# KiCad board artemis.kicad_pcb
title: artemis (アルテミス); date: 2022-01-25; rev: 0.3; company: <3
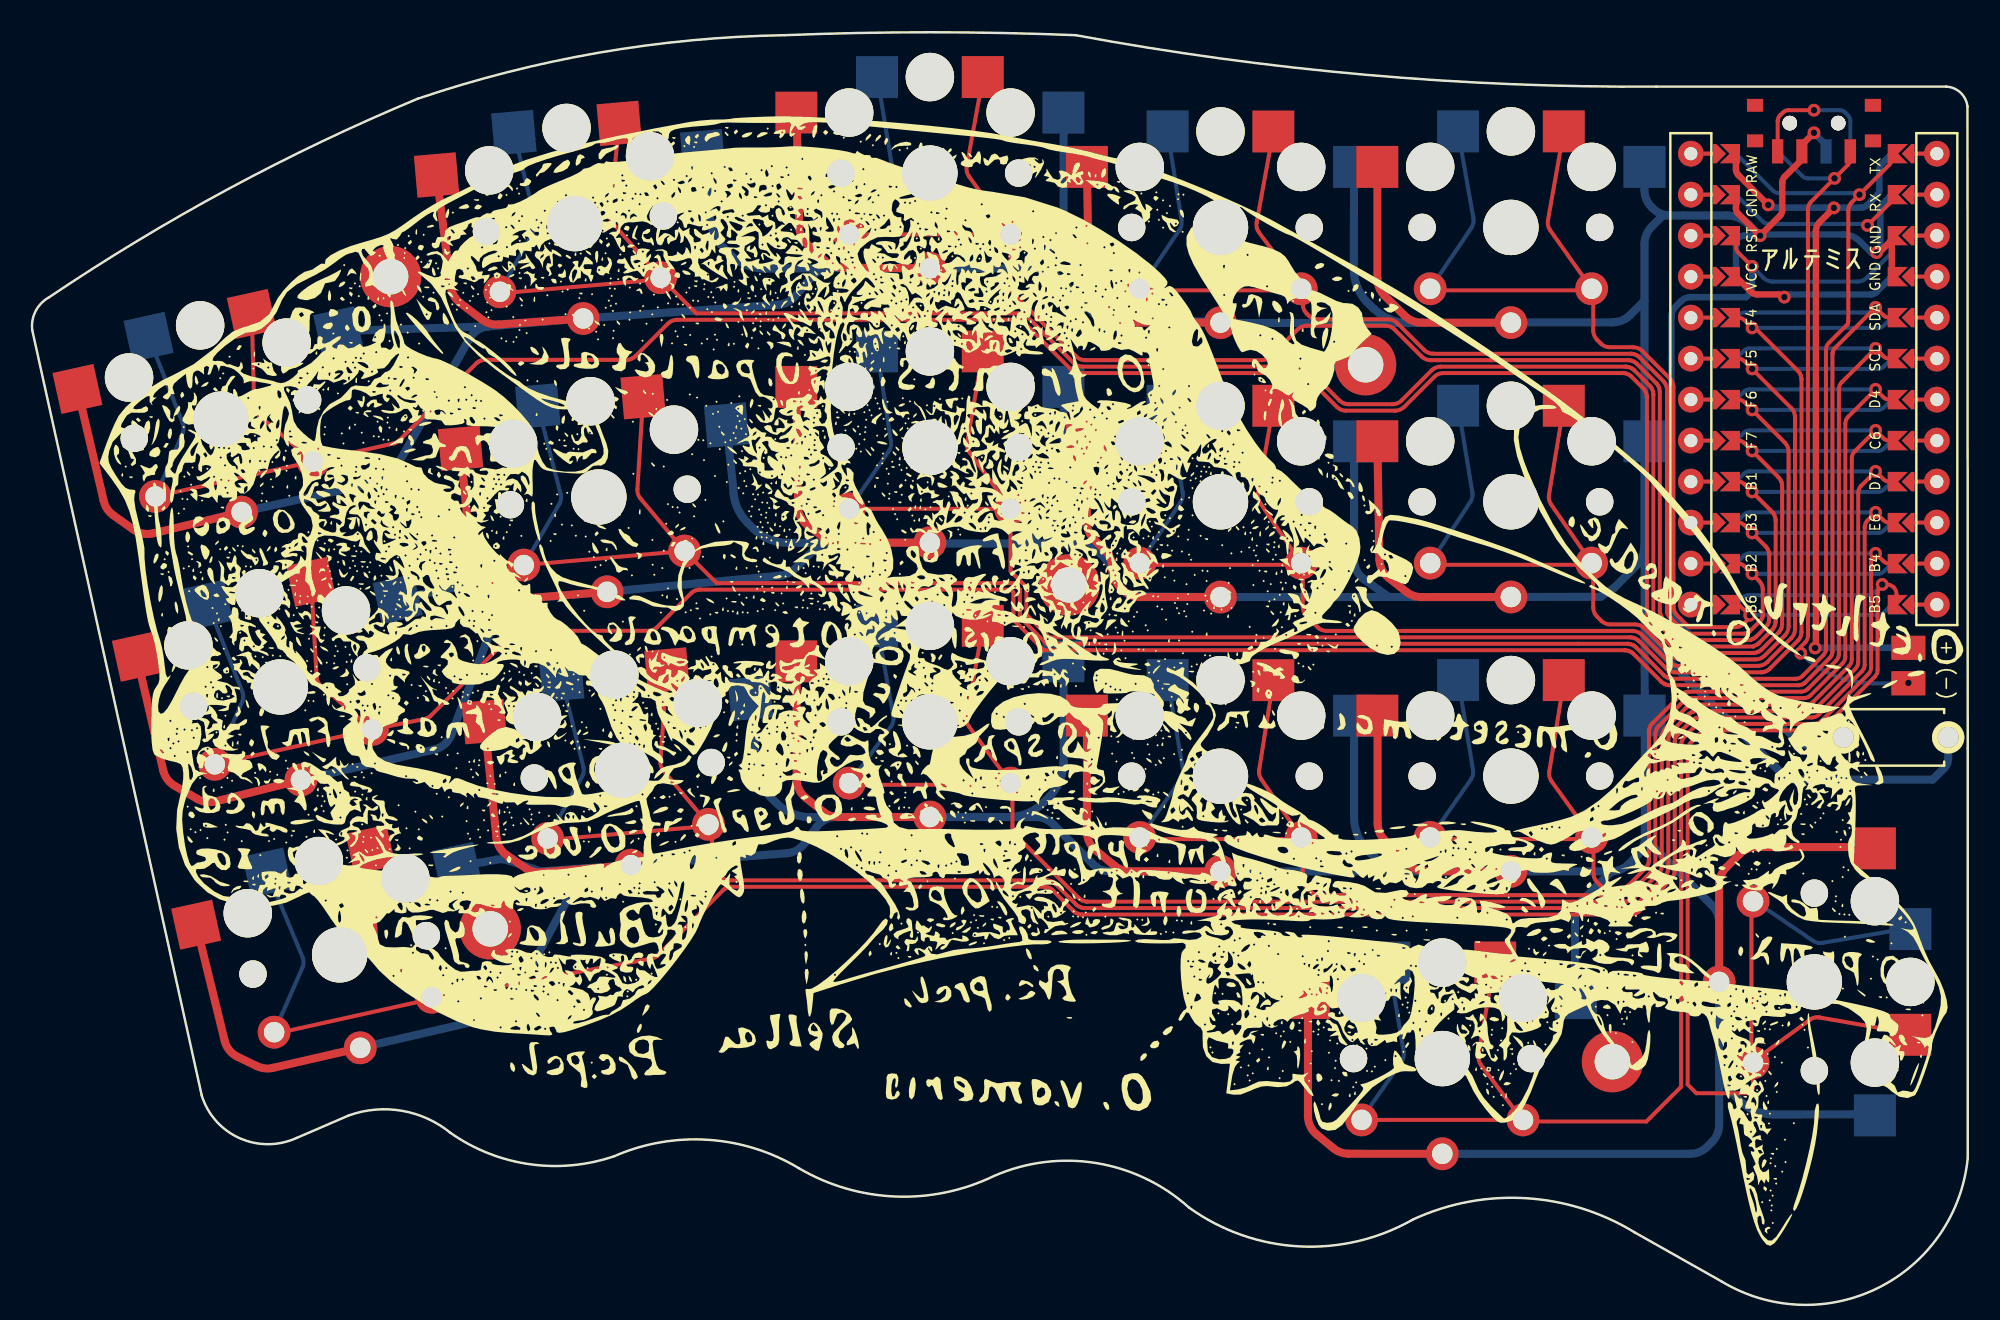
[diagram p0: board, top side]
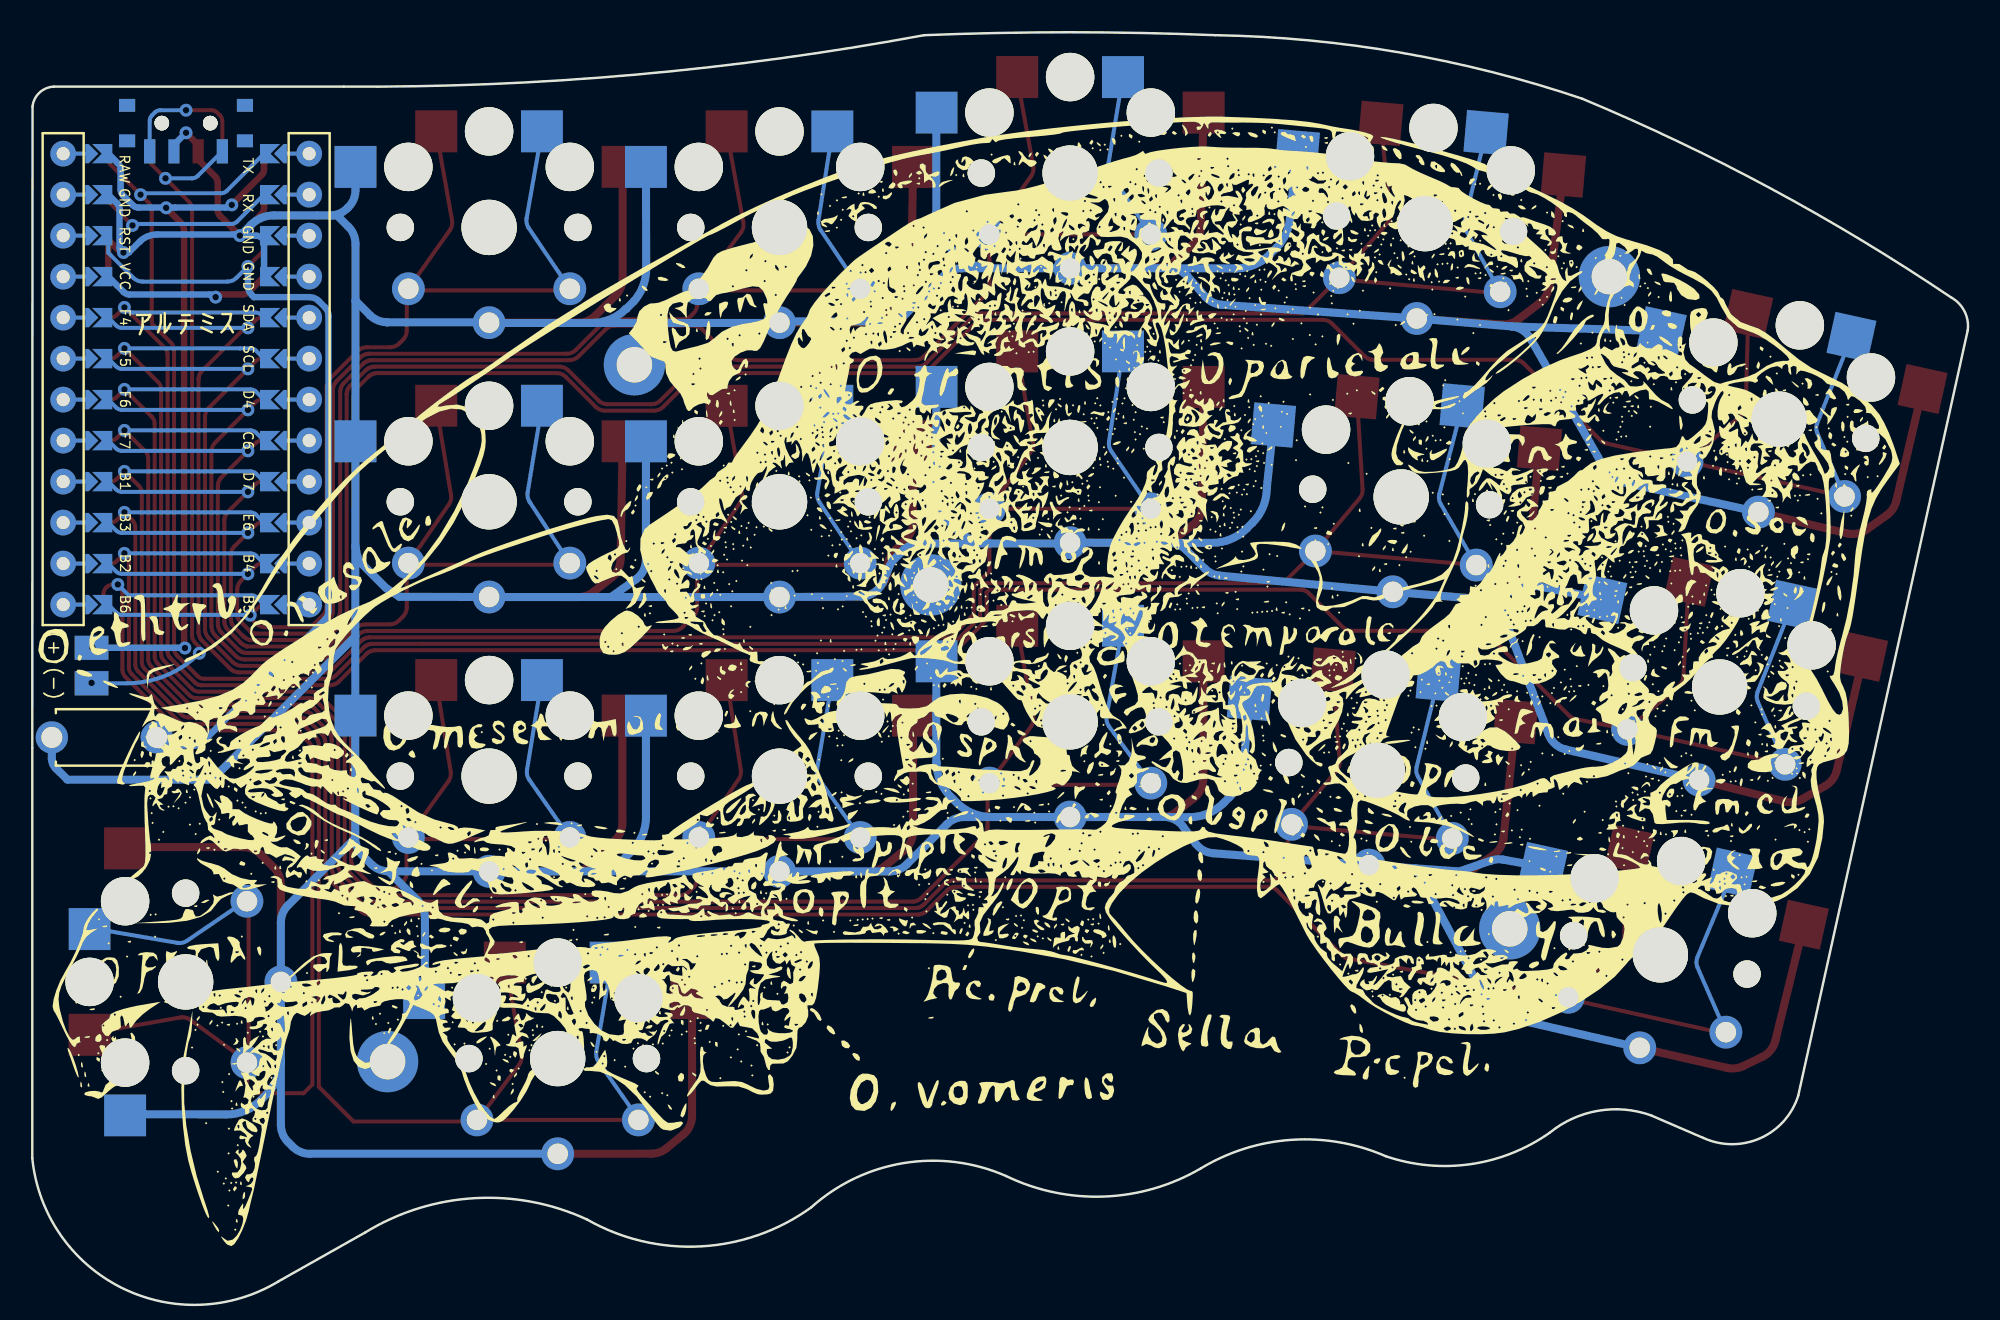
[diagram p1: board, bottom side, seen from below]

Outline 119.92 x 78.85 mm; copper layers: Top, Bottom. Coordinates in mm from the lower left corner of the outline.
Outline path: 0.02,60.38 arc(0.22,61.55) 1.04,62.41 arc(12.16,69.14) 23.9,74.73 arc(35.11,77.58) 46.63,78.67 arc(55.65,78.85) 64.66,78.67 arc(82.57,76.22) 100.62,75.48 118.57,75.48 arc(119.47,75.12) 119.91,74.25 119.92,34.51 119.92,9.07 arc(114.4,1.06) 104.67,1.45 99.3,4.48 arc(92.52,6.61) 85.55,5.28 arc(78.5,3.62) 71.67,6.03 arc(65.92,8.79) 59.6,7.98 arc(53.5,6.71) 47.52,8.46 arc(41.89,10.23) 36.07,9.21 arc(30.82,8.71) 25.92,10.66 arc(22.91,12.02) 19.62,11.73 16.4,10.34 arc(12.87,10.33) 10.52,12.97 0.02,60.38
Stack: Top 0.035mm / dielectric 1.51mm FR4 er 4.5 / Bottom 0.035mm

## Placement (name value [footprint] x y rotation side)
BT1  Battery_Cell  [Battery_pads_reversible]  116.25 39.61 270 top
CATSKULLB  -  [LOGO]  62 40.19 175 bottom
CATSKULLF  -  [LOGO]  62 40.19 355 top
PSW1  SW_SPDT  [Power_reversible]  110.4 73.22 180 top
REF**  -  [MountingHole_2.2mm_M2_DIN965_Pad_TopBottom]  64.26 44.61 0 top
REF**#2  -  [MountingHole_2.2mm_M2_DIN965_Pad_TopBottom]  28.39 23.3 0 top
REF**#3  -  [MountingHole_2.2mm_M2_DIN965_Pad_TopBottom]  82.62 58.25 0 top
REF**#4  -  [MountingHole_2.2mm_M2_DIN965_Pad_TopBottom]  22.22 63.71 0 top
REF**#5  -  [MountingHole_2.2mm_M2_DIN965_Pad_TopBottom]  97.91 15.07 0 top
SW1  Kailh_socket_PG1350_optional_reversible  [Kailh_socket_PG1350_optional_reversible_1u]  11.71 54.88 12.5 top
SW2  Kailh_socket_PG1350_optional_reversible  [Kailh_socket_PG1350_optional_reversible_1u]  33.64 66.99 5 top
SW3  Kailh_socket_PG1350_optional_reversible  [Kailh_socket_PG1350_optional_reversible_1u]  55.63 70.12 0 top
SW4  Kailh_socket_PG1350_optional_reversible  [Kailh_socket_PG1350_optional_reversible_1u]  73.63 66.76 0 top
SW5  Kailh_socket_PG1350_optional_reversible  [Kailh_socket_PG1350_optional_reversible_1u]  91.62 66.76 0 top
SW6  Kailh_socket_PG1350_optional_reversible  [Kailh_socket_PG1350_optional_reversible_1u]  15.39 38.28 12.5 top
SW7  Kailh_socket_PG1350_optional_reversible  [Kailh_socket_PG1350_optional_reversible_1u]  35.12 50.06 5 top
SW8  Kailh_socket_PG1350_optional_reversible  [Kailh_socket_PG1350_optional_reversible_1u]  55.63 53.12 0 top
SW9  Kailh_socket_PG1350_optional_reversible  [Kailh_socket_PG1350_optional_reversible_1u]  73.63 49.76 0 top
SW10  Kailh_socket_PG1350_optional_reversible  [Kailh_socket_PG1350_optional_reversible_1u]  91.62 49.76 0 top
SW11  Kailh_socket_PG1350_optional_reversible  [Kailh_socket_PG1350_optional_reversible_1u]  19.06 21.69 12.5 top
SW12  Kailh_socket_PG1350_optional_reversible  [Kailh_socket_PG1350_optional_reversible_1u]  36.6 33.12 5 top
SW13  Kailh_socket_PG1350_optional_reversible  [Kailh_socket_PG1350_optional_reversible_1u]  55.63 36.12 0 top
SW14  Kailh_socket_PG1350_optional_reversible  [Kailh_socket_PG1350_optional_reversible_1u]  73.63 32.76 0 top
SW15  Kailh_socket_PG1350_optional_reversible  [Kailh_socket_PG1350_optional_reversible_1u]  91.62 32.76 0 top
SW16  Kailh_socket_PG1350_optional_reversible  [Kailh_socket_PG1350_optional_reversible_15u]  87.37 15.26 0 top
SW17  Kailh_socket_PG1350_optional_reversible  [Kailh_socket_PG1350_optional_reversible_15u]  110.42 20.01 270 top
SW18  SW_Push  [ResetSW]  115.46 35.16 180 top
U1  ProMicro  [ProMicro_jumpers]  110.39 57.36 0 top

## Library data of the parts
BT1 = -: Field4: BT01
PSW1 = -: Field4: SW01
SW18 = -: Field4: RESET; Field5: RESET

## Footprints (pads in the part's own frame, mm; a bottom-side part is the same pattern mirrored in y, then rotated)
Battery_pads_reversible
  rect 1.5x2.1 smd: 1(-1.1,0) 2(1.1,0)
  rect 1.5x2.1 smd far side: 1(-1.1,0) 2(1.1,0)
Kailh_socket_PG1350_optional_reversible_1u
  round 1.702 hole 1.702 unplated: (-5.5,0) (5.5,0)
  round 3 hole 3 unplated: (-5,3.75) (0,5.95) (5,3.75)
  round 3.429 hole 3.429 unplated: (0,0)
  rect 2.6x2.6 smd far side: 1(-3.275,5.95) 2(8.275,3.75)
  round 2.032 hole 1.27: 1(0,-5.9) 2(-5,-3.8) 2(5,-3.8)
  rect 2.6x2.6 smd: 1(3.275,5.95) 2(-8.275,3.75)
Kailh_socket_PG1350_optional_reversible_15u
  round 1.702 hole 1.702 unplated: (-5.5,0) (5.5,0)
  round 3 hole 3 unplated: (-5,3.75) (0,5.95) (5,3.75)
  round 3.429 hole 3.429 unplated: (0,0)
  rect 2.6x2.6 smd far side: 1(-3.275,5.95) 2(8.275,3.75)
  round 2.032 hole 1.27: 1(0,-5.9) 2(-5,-3.8) 2(5,-3.8)
  rect 2.6x2.6 smd: 1(3.275,5.95) 2(-8.275,3.75)
MountingHole_2.2mm_M2_DIN965_Pad_TopBottom
  round 2.6 hole 2.2: 1(0,0)
  round 3.8 smd: 1(0,0)
  round 3.8 smd far side: 1(0,0)
Power_reversible
  rect 1x0.8 smd: (-3.65,1.1) (-3.65,-1.1) (3.65,1.1) (3.65,-1.1)
  rect 1x0.8 smd far side: (-3.65,1.1) (-3.65,-1.1) (3.65,1.1) (3.65,-1.1)
  round 0.9 hole 0.9 unplated: (-1.5,0) (-1.5,0) (1.5,0) (1.5,0)
  rect 0.7x1.5 smd: 1(-2.25,1.75) 2(0.75,1.75) 3(2.25,1.75)
  rect 0.7x1.5 smd far side: 1(2.25,1.75) 2(-0.75,1.75) 3(-2.25,1.75)
ProMicro_jumpers
  round 1.6 hole 0.813: (-7.62,13.97) (-7.62,11.43) (-7.62,8.89) (-7.62,6.35) (-7.62,3.81) (-7.62,1.27) (-7.62,-1.27) (-7.62,-3.81) (-7.62,-6.35) (-7.62,-8.89) (-7.62,-11.43) (-7.62,-13.97) (7.62,13.97) (7.62,11.43) (7.62,8.89) (7.62,6.35) (7.62,3.81) (7.62,1.27) (7.62,-1.27) (7.62,-3.81) (7.62,-6.35) (7.62,-8.89) (7.62,-11.43) (7.62,-13.97)
  custom 1x0.25 smd: (-6.35,13.97) (-6.35,11.43) (-6.35,8.89) (-6.35,6.35) (-6.35,3.81) (-6.35,1.27) (-6.35,-1.27) (-6.35,-3.81) (-6.35,-6.35) (-6.35,-8.89) (-6.35,-11.43) (-6.35,-13.97) (6.35,13.97) (6.35,11.43) (6.35,8.89) (6.35,6.35) (6.35,3.81) (6.35,1.27) (6.35,-1.27) (6.35,-3.81) (6.35,-6.35) (6.35,-8.89) (6.35,-11.43) (6.35,-13.97)
  custom 1x0.25 smd far side: (-6.35,13.97) (-6.35,11.43) (-6.35,8.89) (-6.35,6.35) (-6.35,3.81) (-6.35,1.27) (-6.35,-1.27) (-6.35,-3.81) (-6.35,-6.35) (-6.35,-8.89) (-6.35,-11.43) (-6.35,-13.97) (6.35,13.97) (6.35,11.43) (6.35,8.89) (6.35,6.35) (6.35,3.81) (6.35,1.27) (6.35,-1.27) (6.35,-3.81) (6.35,-6.35) (6.35,-8.89) (6.35,-11.43) (6.35,-13.97)
  custom 0.8x1.2 smd: (-5.842,13.97) (-5.842,11.43) (-5.842,8.89) (-5.842,6.35) (-5.842,3.81) (-5.842,1.27) (-5.842,-1.27) (-5.842,-3.81) (-5.842,-6.35) (-5.842,-8.89) (-5.842,-11.43) (-5.842,-13.97) (5.842,13.97) (5.842,11.43) (5.842,8.89) (5.842,6.35) (5.842,3.81) (5.842,1.27) (5.842,-1.27) (5.842,-3.81) (5.842,-6.35) (5.842,-8.89) (5.842,-11.43) (5.842,-13.97)
  custom 0.8x1.2 smd far side: (-5.842,13.97) (-5.842,11.43) (-5.842,8.89) (-5.842,6.35) (-5.842,3.81) (-5.842,1.27) (-5.842,-1.27) (-5.842,-3.81) (-5.842,-6.35) (-5.842,-8.89) (-5.842,-11.43) (-5.842,-13.97) (5.842,13.97) (5.842,11.43) (5.842,8.89) (5.842,6.35) (5.842,3.81) (5.842,1.27) (5.842,-1.27) (5.842,-3.81) (5.842,-6.35) (5.842,-8.89) (5.842,-11.43) (5.842,-13.97)
  custom 1.25x1.2 smd far side: 1(-4.826,13.97) 2(-4.826,11.43) 3(-4.826,8.89) 4(-4.826,6.35) 5(-4.826,3.81) 6(-4.826,1.27) 7(-4.826,-1.27) 8(-4.826,-3.81) 9(-4.826,-6.35) 10(-4.826,-8.89) 11(-4.826,-11.43) 12(-4.826,-13.97) 13(4.826,-13.97) 14(4.826,-11.43) 15(4.826,-8.89) 16(4.826,-6.35) 17(4.826,-3.81) 18(4.826,-1.27) 19(4.826,1.27) 20(4.826,3.81) 21(4.826,6.35) 22(4.826,8.89) 23(4.826,11.43) 24(4.826,13.97)
  custom 1.25x1.2 smd: 1(4.826,13.97) 2(4.826,11.43) 3(4.826,8.89) 4(4.826,6.35) 5(4.826,3.81) 6(4.826,1.27) 7(4.826,-1.27) 8(4.826,-3.81) 9(4.826,-6.35) 10(4.826,-8.89) 11(4.826,-11.43) 12(4.826,-13.97) 13(-4.826,-13.97) 14(-4.826,-11.43) 15(-4.826,-8.89) 16(-4.826,-6.35) 17(-4.826,-3.81) 18(-4.826,-1.27) 19(-4.826,1.27) 20(-4.826,3.81) 21(-4.826,6.35) 22(-4.826,8.89) 23(-4.826,11.43) 24(-4.826,13.97)
ResetSW
  round 2 hole 1.3: 1(3.25,0) 2(-3.25,0)

## Nets
GND: PSW1.2 SW18.2 U1.3 U1.4 U1.23
GND|switch1: SW1.1 SW1.2
GND|switch2: SW2.1 SW2.2
GND|switch3: SW3.1 SW3.2
GND|switch4: SW4.1 SW4.2
GND|switch5: SW5.1 SW5.2
GND|switch6: SW6.1 SW6.2
GND|switch7: SW7.1 SW7.2
GND|switch8: SW8.1 SW8.2
GND|switch9: SW9.1 SW9.2
GND|switch10: SW10.1 SW10.2
GND|switch11: SW11.1 SW11.2
GND|switch12: SW12.1 SW12.2
GND|switch13: SW13.1 SW13.2
GND|switch14: SW14.1 SW14.2
GND|switch15: SW15.1 SW15.2
GND|switch16: SW16.1 SW16.2
GND|switch17: SW17.1 SW17.2
VCC: U1.21
raw: BT1.1 U1.24
reset: SW18.1 U1.22
switch1: U1.17
switch2: U1.16
switch3: U1.15
switch4: U1.14
switch5: U1.13
switch6: U1.5
switch7: U1.1
switch8: U1.20
switch9: U1.19
switch10: U1.18
switch11: U1.10
switch12: U1.9
switch13: U1.8
switch14: U1.7
switch15: U1.6
switch16: U1.11
switch17: U1.12
Net-(BT1-Pad2): BT1.2 PSW1.1

Pads without a net: PSW1 3; REF** 1; REF**#2 1; REF**#3 1; REF**#4 1; REF**#5 1; U1 2

## Via types
v1: diameter 0.8, hole 0.4, Top to Bottom, 31 vias

## Routing (per net, layer and track width the routed paths; a pad name or vN(x,y) marks a point on that pad's centre or on a via; arc(x,y) is an arc through that point)
GND: length 851.2
  Top w0.4: v1(110.4,72.62) 109.8,72.02 arc(109.69,71.86) 109.65,71.66 PSW1.2 109.65,71.17 arc(109.61,70.98) 109.5,70.82 108.58,69.9 arc(108.47,69.74) 108.44,69.55 108.44,67.83 arc(108.4,67.64) 108.29,67.47 v1(107.06,66.25) 105.71,67.6 arc(105.6,67.76) 105.56,67.96 U1.23 ; U1.4 U1.3 115.22,66.19 arc(115.19,66.02) 115.12,65.88 114.44,65.2 v1(114.27,65.2)
  Top w0.5: 91.62,43.86 86.08,43.85 arc(85.59,43.94) 85.15,44.18 84.04,45.05 arc(83.63,45.56) 83.48,46.2 83.35,53.51 ; 87.4,9.36 81.58,9.36 arc(81.07,9.45) 80.62,9.71 79.59,10.55 arc(79.19,11.07) 79.05,11.71 79.05,19.01 ; 25.07,70.01 25.96,63.07 arc(26.15,62.52) 26.54,62.07 27.88,61.05 arc(28.36,60.8) 28.89,60.74 34.15,61.12 ; 47.37,39.87 47.38,32.58 arc(47.53,31.93) 47.95,31.4 49.04,30.54 arc(49.48,30.31) 49.97,30.22 55.64,30.22 ; 26.55,53.07 27.2,46.29 arc(27.37,45.72) 27.75,45.27 29.22,44.08 arc(29.72,43.81) 30.28,43.75 35.63,44.18 ; 37.11,27.24 31.56,26.8 arc(31.05,26.84) 30.59,27.06 29.42,27.86 arc(28.98,28.33) 28.78,28.94 28.03,36.14 ; 104.52,20.09 104.52,26.04 arc(104.64,26.61) 104.96,27.1 105.79,27.92 arc(106.27,28.25) 106.85,28.36 114.17,28.36 ; 55.64,47.22 49.96,47.23 arc(49.48,47.31) 49.06,47.54 48.05,48.3 arc(47.62,48.82) 47.46,49.48 47.37,56.87 ; 91.62,60.86 86.09,60.86 arc(85.52,60.97) 85.03,61.3 83.79,62.54 arc(83.46,63.03) 83.35,63.6 83.35,70.51 ; 65.36,36.51 65.36,29.32 arc(65.5,28.68) 65.91,28.16 67.07,27.2 arc(67.52,26.95) 68.02,26.86 73.63,26.86 ; 83.36,36.51 83.36,29.86 arc(83.48,29.28) 83.8,28.8 85.3,27.3 arc(85.79,26.97) 86.36,26.86 91.64,26.86 ; 55.64,64.22 50.16,64.27 arc(49.62,64.37) 49.15,64.67 48.01,65.73 arc(47.66,66.22) 47.53,66.8 47.37,73.87 ; 73.63,60.86 68.08,60.86 arc(67.57,60.95) 67.12,61.21 66.01,62.14 arc(65.62,62.65) 65.48,63.27 65.36,70.51 ; 12.98,49.12 7.5,47.8 arc(6.87,47.79) 6.28,48.04 5.04,48.93 arc(4.66,49.31) 4.45,49.8 2.82,56.75 ; 6.5,40.15 8.13,33.12 arc(8.39,32.56) 8.84,32.16 10.25,31.35 arc(10.79,31.16) 11.37,31.19 16.66,32.52 ; 73.63,43.86 68.65,43.86 arc(68.08,43.97) 67.59,44.29 67.36,44.52 arc(67.04,45.01) 66.92,45.58 66.92,45.69 arc(66.81,46.26) 66.48,46.75 65.8,47.44 arc(65.47,47.92) 65.36,48.5 65.36,53.51 ; 10.17,23.56 11.94,16.36 arc(12.23,15.77) 12.74,15.37 13.93,14.79 arc(14.42,14.65) 14.92,14.68 20.34,15.93
  Bottom w0.4: U1.4 105.56,65.75 arc(105.71,66.1) 106.06,66.25 v1(107.06,66.25) ; v1(107.06,66.25) 107.14,66.32 112.2,66.32 arc(112.78,66.21) 113.26,65.88 113.94,65.2 v1(114.27,65.2) 114.39,65.2 114.48,65.29 arc(114.51,65.39) 114.52,65.48 114.52,67.88 arc(114.55,68.07) 114.66,68.23 U1.23 ; v1(107.06,66.25) 107.04,66.25 ; v1(110.4,72.62) 111,72.02 arc(111.11,71.86) 111.15,71.66 PSW1.2
  Bottom w0.5: 114.17,11.81 107.9,11.79 arc(106.75,12.02) 105.78,12.67 105.4,13.05 arc(104.75,14.02) 104.53,15.17 ; 87.32,9.36 102.73,9.36 arc(103.3,9.47) 103.79,9.8 104.08,10.09 arc(104.41,10.58) 104.52,11.15 104.52,23.69 arc(104.41,24.26) 104.08,24.75 99.91,28.92 ; 30.07,43.71 27.26,44.49 arc(26.92,44.54) 26.57,44.51 22.65,43.74 ; 30.07,43.71 35.63,44.18 46.36,45.18 arc(46.86,45.32) 47.28,45.62 48.44,46.77 arc(48.92,47.09) 49.49,47.21 ; 30.07,43.71 arc(29.29,43.41) 28.79,42.75 25.98,35.34 arc(25.57,34.74) 24.91,34.4 16.66,32.52 ; 44.52,37.58 44.87,33.59 arc(45.09,32.44) 45.74,31.47 46.12,31.09 arc(47.09,30.44) 48.24,30.21 49.83,30.23 ; 84.06,43.86 82.53,44.95 arc(82.07,45.48) 81.91,46.16 81.9,47.24 81.91,47.24 81.91,53.51 ; 84.06,43.86 73.63,43.86 68.58,43.89 arc(67.75,44.15) 67.21,44.82 66.83,45.73 arc(66.7,45.99) 66.51,46.22 65.99,46.73 arc(65.5,47.06) 64.93,47.17 55.69,47.17 55.64,47.22 49.49,47.21 ; 84.06,43.86 91.62,43.86 97.18,43.87 98,44.41 99.67,46.08 99.79,46.4 99.86,46.73 99.9,47.06 ; 73.63,26.86 91.64,26.86 97.86,26.86 ; 73.63,26.86 66.81,26.86 arc(66.23,26.97) 65.75,27.29 63.26,29.78 arc(62.77,30.11) 62.19,30.22 55.64,30.22 49.83,30.23 ; 73.63,26.86 73.63,26.75 73.68,26.8 ; 20.34,15.93 28.72,17.86 arc(29.29,18.13) 29.7,18.62 34.2,27.04 ; 49.83,30.23 arc(49.15,30.07) 48.62,29.62 47.86,28.59 arc(47.38,28.16) 46.76,27.98 37.11,27.24 34.2,27.04 ; 28.28,60.62 18.97,60.33 ; 28.28,60.62 34.15,61.12 46.23,61.96 arc(46.79,62.12) 47.25,62.47 48.35,63.72 arc(48.86,64.1) 49.48,64.23 ; 28.28,60.62 arc(27.6,60.39) 27.11,59.87 22.45,51.71 arc(22.04,51.25) 21.47,50.99 12.98,49.12 ; 85.24,60.84 73.65,60.84 73.63,60.86 73.55,60.94 66.88,60.94 arc(66.31,61.05) 65.82,61.38 63.42,63.78 arc(62.93,64.11) 62.36,64.22 55.64,64.22 49.48,64.23 ; 49.48,64.23 45.37,64.21 arc(44.22,64.44) 43.25,65.09 42.87,65.47 arc(42.22,66.44) 42,67.59 41.55,71.45 ; 99.91,28.92 99.91,36.51 99.91,41.42 ; 99.91,28.92 arc(99.8,28.34) 99.48,27.86 98.92,27.3 arc(98.43,26.97) 97.86,26.86 ; 43.04,54.51 43.45,50.59 arc(43.67,49.44) 44.32,48.47 44.7,48.09 arc(45.67,47.44) 46.82,47.21 ; 101.47,67.5 104.96,67.5 arc(105.73,67.35) 106.37,66.92 107.04,66.25 ; 101.47,67.5 101.04,67.5 100.34,66.8 arc(100.01,66.31) 99.9,65.74 99.9,62.22 ; 101.47,67.5 arc(100.9,67.62) 100.41,67.94 100.34,68.01 arc(100.01,68.5) 99.9,69.07 99.9,70.51 ; 49.49,47.21 46.93,47.21 ; 99.91,41.42 108.78,32.54 117.75,32.54 118.48,33.27 arc(118.65,33.53) 118.71,33.84 SW18.2 ; 99.91,41.42 99.9,53.51 99.9,62.22 ; 81.91,70.51 81.89,64.19 arc(82.09,63.12) 82.65,62.19 83.12,61.72 83.14,61.72 arc(84.11,61.07) 85.26,60.84 ; 85.29,60.84 91.6,60.84 91.62,60.86 91.64,60.88 97.94,60.88 97.95,60.89 arc(98.53,61) 99.01,61.33 99.9,62.22 ; 95.6,19.01 95.6,23.98 arc(95.71,24.55) 96.04,25.04 97.86,26.86 ; 63.92,39.87 63.92,33.62 63.9,33.6 arc(63.67,32.46) 63.02,31.48 62.65,31.11 arc(61.68,30.46) 60.53,30.23 ; 34.2,27.04 31.51,26.85 29.55,27.53 arc(29.17,27.6) 28.79,27.58 26.33,27.14 ; 63.92,56.87 63.92,50.56 63.93,50.55 arc(63.7,49.41) 63.05,48.43 62.67,48.06 arc(61.7,47.41) 60.55,47.18 ; 63.92,73.87 63.92,67.61 63.92,67.61 arc(63.69,66.46) 63.04,65.49 62.67,65.11 arc(61.7,64.46) 60.55,64.23 ; 81.91,30.27 81.91,36.51 ; 81.9,30.24 arc(82.13,29.09) 82.78,28.12 83.15,27.74 arc(84.13,27.09) 85.28,26.86
VCC: length 10.6
  Top w0.4: v1(108.56,62.44) 108.54,62.46 arc(108.38,62.57) 108.19,62.61 106.87,62.61 arc(106.68,62.64) 106.52,62.75 U1.21
  Bottom w0.4: U1.21 114.26,62.75 arc(114.09,62.64) 113.9,62.6 108.94,62.6 arc(108.74,62.56) 108.58,62.46 v1(108.56,62.44)
raw: length 47.5
  Top w0.4: U1.24 105.56,70.36 arc(105.6,70.17) 105.71,70.01 v1(107.56,68.15) ; v1(110.47,40.7) 110.52,40.75 110.52,66.53 arc(110.58,66.83) 110.75,67.09 v1(111.63,67.97)
  Bottom w0.4: BT1.1 110.48,40.71 v1(110.47,40.7) ; U1.24 114.6,70.71 arc(114.49,70.55) 114.45,70.35 114.45,69.09 arc(114.41,68.9) 114.3,68.74 113.7,68.14 arc(113.54,68.03) 113.35,67.99 107.94,67.99 arc(107.74,68.03) 107.58,68.14 v1(107.56,68.15)
  vias: v1(116.2,40.72)
reset: length 53
  Top w0.25: v1(106.56,64.34) 105.71,65.2 arc(105.6,65.36) 105.56,65.55 U1.22
  Bottom w0.25: v1(106.56,64.34) 107.27,63.63 arc(107.53,63.46) 107.84,63.4 113.09,63.4 arc(113.4,63.46) 113.66,63.63 115.22,65.19 U1.22
  Bottom w0.4: SW18.1 111.88,34.83 arc(111.69,34.7) 111.46,34.65 109.85,34.65 arc(109.58,34.73) 109.36,34.89 101.8,42.44 arc(101.63,42.7) 101.57,43.01 101.57,61.26 arc(101.63,61.57) 101.8,61.83 102.18,62.2 arc(102.44,62.38) 102.75,62.44 106.19,62.44 106.33,62.58 arc(106.5,62.84) 106.56,63.14 v1(106.56,64.34)
switch1: length 166.6
  Top w0.25: U1.17 105.72,53.55 arc(105.91,53.51) 106.08,53.4 v1(106.56,52.91) 108.19,51.29 108.25,51.23 108.33,51.1 108.39,50.95 108.42,50.8 108.43,50.72 108.43,42.21 108.42,42.13 108.39,41.97 108.33,41.83 108.25,41.7 108.19,41.64 107.17,40.62 107.12,40.57 106.99,40.48 106.84,40.42 106.69,40.39 106.61,40.39 102.32,40.39 102.24,40.39 102.09,40.42 101.94,40.48 101.81,40.57 101.75,40.62 100.28,42.1 100.23,42.15 100.14,42.28 100.08,42.43 100.05,42.58 100.05,42.66 100.05,56.23 100.05,56.3 100.02,56.46 99.96,56.6 99.87,56.74 99.81,56.79 99.11,57.5 99.05,57.55 98.92,57.64 98.77,57.7 98.62,57.73 98.54,57.73 87.44,57.73 arc(87.14,57.67) 86.88,57.5 85.01,55.64 arc(84.75,55.46) 84.45,55.4 81.4,55.4 arc(81.1,55.46) 80.84,55.64 78.98,57.5 arc(78.72,57.67) 78.41,57.73 64.92,57.73 arc(64.62,57.79) 64.36,57.97 61.53,60.8 arc(61.27,60.97) 60.96,61.03 39.97,61.03 arc(39.66,60.97) 39.4,60.8 37.39,58.79 37.34,58.73 37.2,58.65 37.06,58.59 36.91,58.55 36.83,58.55 28.08,58.55 28,58.55 27.85,58.52 27.7,58.46 27.57,58.37 27.51,58.32 22.78,53.59 22.73,53.53 22.6,53.45 22.46,53.39 22.39,53.37 17.41,52.25 ; 17.41,52.25 7.65,50.09 ; 17.41,52.25 14.05,55.11 arc(13.85,55.38) 13.77,55.7 13.62,61.4
  Bottom w0.25: 7.22,59.98 9.35,54.62 arc(9.4,54.31) 9.34,54.01 7.65,50.09 ; U1.17 114.73,53.06 arc(114.57,52.95) 114.37,52.91 v1(106.56,52.91)
switch2: length 139.5
  Top w0.25: 36.38,73.21 35.8,67.61 arc(35.84,67.29) 36,67 38.95,63.64 41.16,61.43 61.13,61.43 arc(61.43,61.37) 61.69,61.2 64.52,58.37 arc(64.78,58.19) 65.09,58.13 78.58,58.13 arc(78.88,58.07) 79.14,57.9 81,56.04 arc(81.26,55.86) 81.57,55.8 84.28,55.8 arc(84.59,55.86) 84.85,56.04 86.71,57.9 arc(86.97,58.07) 87.28,58.13 98.71,58.13 98.79,58.13 98.94,58.1 99.09,58.04 99.22,57.95 99.27,57.9 100.21,56.96 100.27,56.9 100.36,56.77 100.42,56.62 100.45,56.47 100.45,56.39 100.45,42.83 100.45,42.75 100.48,42.59 100.54,42.45 100.63,42.32 100.68,42.26 101.92,41.02 101.98,40.97 102.11,40.88 102.25,40.82 102.28,40.79 106.64,40.79 106.68,40.82 106.82,40.88 106.95,40.97 107.01,41.02 107.79,41.81 107.85,41.86 107.93,42 107.99,42.14 108.02,42.29 108.03,42.37 108.03,48.58 108.03,48.66 107.99,48.81 107.93,48.96 107.85,49.09 107.79,49.14 v1(106.56,50.37) 106.08,50.86 arc(105.91,50.97) 105.72,51.01 U1.16 ; 39.06,63.55 28.9,62.66
  Bottom w0.25: 29.86,72.63 31.18,67.16 arc(31.2,66.86) 31.11,66.58 28.99,62.77 ; U1.16 114.73,50.52 arc(114.57,50.41) 114.37,50.37 v1(106.56,50.37)
switch3: length 117.1
  Top w0.25: U1.15 105.72,48.47 arc(105.91,48.43) 106.08,48.32 v1(106.56,47.83) 107.39,47 107.45,46.95 107.53,46.82 107.59,46.67 107.63,46.52 107.63,46.44 107.63,42.54 107.63,42.46 107.59,42.31 107.53,42.16 107.45,42.03 107.39,41.97 106.84,41.42 106.79,41.37 106.66,41.28 106.51,41.22 106.48,41.19 102.57,41.19 102.42,41.22 102.27,41.28 102.14,41.37 102.09,41.42 101.13,42.38 101.07,42.45 100.96,42.6 100.89,42.78 100.85,42.97 100.85,43.06 100.85,56.56 100.85,56.64 100.82,56.79 100.76,56.94 100.67,57.07 100.61,57.12 99.44,58.3 99.38,58.35 99.25,58.44 99.11,58.5 98.95,58.53 98.87,58.53 86.65,58.53 arc(86.34,58.59) 86.08,58.77 84.42,60.43 arc(84.16,60.61) 83.85,60.67 78.97,60.67 arc(78.67,60.61) 78.41,60.43 76.74,58.77 arc(76.48,58.59) 76.17,58.53 65.25,58.53 arc(64.95,58.59) 64.69,58.77 60.86,62.59 arc(60.69,62.85) 60.63,63.16 60.63,66.32 50.63,66.32 ; 58.92,76.07 57.91,70.54 arc(57.92,70.22) 58.05,69.93 60.64,66.32
  Bottom w0.25: 50.64,66.32 53.14,70.12 arc(53.25,70.4) 53.26,70.69 52.37,76.07 ; v1(106.56,47.83) 114.37,47.83 arc(114.57,47.87) 114.73,47.98 U1.15
switch4: length 91.1
  Top w0.25: 76.91,72.71 75.87,67.07 arc(75.88,66.74) 76.02,66.44 78.63,62.96 ; 68.53,62.86 78.73,62.86 78.73,61.99 arc(78.79,61.68) 78.97,61.42 79.09,61.3 arc(79.35,61.13) 79.65,61.07 84.02,61.07 arc(84.32,61.01) 84.58,60.83 86.25,59.17 arc(86.51,58.99) 86.81,58.93 99.04,58.93 99.12,58.93 99.27,58.9 99.42,58.84 99.55,58.75 99.6,58.7 101.06,57.24 101.11,57.18 101.2,57.05 101.26,56.91 101.29,56.75 101.29,56.68 101.29,42.99 101.3,42.92 101.33,42.79 101.4,42.68 101.44,42.63 101.47,42.6 101.48,42.6 101.53,42.54 102.25,41.82 102.31,41.77 102.44,41.68 102.58,41.62 102.74,41.59 106.07,41.59 106.14,41.59 106.27,41.63 106.38,41.69 106.43,41.74 106.97,42.28 106.97,42.29 107.08,42.4 107.13,42.44 107.19,42.56 107.23,42.68 107.23,42.75 107.23,44.3 107.23,44.38 107.2,44.53 107.14,44.68 107.05,44.81 106.99,44.86 v1(106.56,45.29) 106.08,45.78 arc(105.91,45.89) 105.72,45.93 U1.14
  Bottom w0.25: 68.63,62.96 71.09,66.61 arc(71.21,66.89) 71.22,67.18 70.36,72.71 ; v1(106.56,45.29) 114.37,45.29 arc(114.57,45.33) 114.73,45.44 115.22,45.93
switch5: length 70.2
  Top w0.25: 94.9,72.71 93.92,67.19 arc(93.92,66.88) 94.05,66.59 96.62,62.96 ; 86.52,62.86 96.72,62.86 96.72,60.36 arc(96.78,60.06) 96.96,59.8 97.19,59.57 arc(97.45,59.39) 97.76,59.33 99.2,59.33 arc(99.51,59.27) 99.77,59.1 101.46,57.4 arc(101.63,57.15) 101.7,56.84 101.7,43.27 101.7,43.2 101.73,43.04 101.79,42.9 101.88,42.77 101.93,42.71 102.53,42.11 102.56,42.08 102.63,42.03 102.7,42 102.78,41.99 105.51,41.99 arc(105.78,42.04) 106.02,42.17 106.42,42.57 v1(106.42,42.73) 106.39,42.73 105.74,43.39 U1.13
  Bottom w0.25: v1(106.42,42.73) 106.44,42.75 114.37,42.75 arc(114.57,42.79) 114.73,42.9 U1.13 ; 88.35,72.71 89.3,67.32 arc(89.3,67.02) 89.18,66.73 86.62,62.96
switch6: length 161.9
  Top w0.25: 17.3,44.8 17.64,38.9 arc(17.72,38.58) 17.92,38.33 21.09,35.66 ; 21.09,35.66 11.33,33.49 ; 21.09,35.66 24.31,36.3 24.39,36.31 24.53,36.37 24.66,36.46 24.72,36.51 29.73,41.53 29.79,41.58 29.92,41.67 30.07,41.73 30.22,41.76 30.3,41.76 38.18,41.76 38.26,41.76 38.41,41.8 38.55,41.86 38.69,41.94 38.74,42 40.83,44.08 40.88,44.14 41.01,44.22 41.16,44.28 41.31,44.31 41.39,44.32 60.64,44.32 60.8,44.15 60.8,42.45 62.69,40.56 65.51,40.56 65.57,40.56 98.66,40.56 98.74,40.56 98.9,40.53 99.04,40.47 99.17,40.38 99.23,40.33 100.93,38.63 100.98,38.57 101.11,38.48 101.26,38.42 101.41,38.39 101.49,38.39 109.44,38.39 109.52,38.39 109.67,38.43 109.8,38.51 109.86,38.57 111.37,40.07 111.42,40.13 111.5,40.27 111.54,40.42 111.54,40.5 111.54,58.88 111.54,58.96 111.58,59.11 111.66,59.25 111.72,59.3 v1(114.22,61.8) 114.7,61.31 arc(114.87,61.21) 115.06,61.17 U1.5
  Bottom w0.25: U1.5 105.74,61.34 arc(105.9,61.45) 106.09,61.49 113.69,61.49 arc(113.88,61.52) 114.05,61.63 v1(114.22,61.8) ; 10.9,43.38 13.04,37.98 arc(13.09,37.67) 13.02,37.37 11.33,33.49
switch7: length 148
  Top w0.25: U1.1 115.22,71 arc(115.18,70.8) 115.07,70.64 v1(113.22,68.79) 112.76,68.33 112.7,68.27 112.61,68.14 112.55,68 112.52,67.84 112.52,67.76 112.52,61.01 112.52,60.93 112.49,60.77 111.32,59.6 arc(111.19,59.41) 111.14,59.18 111.14,40.66 arc(111.1,40.43) 110.97,40.24 109.7,38.97 arc(109.5,38.84) 109.27,38.79 101.66,38.79 101.58,38.79 101.43,38.82 101.28,38.88 101.15,38.97 101.09,39.03 99.39,40.72 99.34,40.78 99.21,40.87 99.06,40.93 98.91,40.96 98.83,40.96 65.74,40.96 65.74,40.96 62.86,40.96 61.2,42.61 61.2,44.32 60.8,44.72 42.42,44.72 40.43,46.71 ; 40.43,46.71 37.69,49.97 arc(37.55,50.23) 37.51,50.53 37.86,56.27 ; 40.43,46.71 30.47,45.84
  Bottom w0.25: v1(113.22,68.79) 113.13,68.88 108.22,68.88 arc(108.03,68.92) 107.87,69.02 U1.1 ; 30.47,45.84 32.67,49.63 arc(32.77,49.92) 32.76,50.23 31.34,55.7
switch8: length 119.2
  Top w0.25: 60.64,49.32 58.08,52.83 arc(57.95,53.12) 57.94,53.44 58.92,59.07 ; U1.20 105.72,61.17 arc(105.91,61.13) 106.08,61.02 v1(106.56,60.53) 106.75,60.53 109.39,57.89 109.44,57.83 109.53,57.7 109.59,57.56 109.62,57.4 109.62,57.33 109.62,41.71 109.62,41.63 109.59,41.48 109.53,41.33 109.44,41.2 109.39,41.15 107.67,39.43 107.61,39.37 107.48,39.28 107.34,39.22 107.18,39.19 107.1,39.19 101.82,39.19 101.75,39.19 101.59,39.22 101.45,39.28 101.32,39.37 101.26,39.43 99.56,41.12 99.5,41.18 99.37,41.27 99.23,41.33 99.07,41.36 98.99,41.36 65.9,41.36 65.9,41.36 63.02,41.36 61.6,42.78 61.6,44.48 60.63,45.45 60.63,49.32 50.63,49.32
  Bottom w0.25: 52.37,59.07 53.22,53.48 arc(53.21,53.19) 53.09,52.91 50.64,49.32 ; v1(106.56,60.53) 114.37,60.53 arc(114.57,60.57) 114.73,60.68 U1.20
switch9: length 94.6
  Top w0.25: U1.19 105.72,58.63 arc(105.91,58.59) 106.08,58.48 v1(106.56,57.99) 108.99,55.57 arc(109.16,55.31) 109.23,55 109.23,41.88 arc(109.16,41.57) 108.99,41.31 107.5,39.82 arc(107.25,39.65) 106.94,39.59 101.99,39.59 arc(101.68,39.65) 101.42,39.82 99.72,41.52 arc(99.47,41.7) 99.16,41.76 80.2,41.76 arc(79.9,41.82) 79.64,41.99 78.97,42.67 arc(78.79,42.93) 78.73,43.23 78.73,45.86 68.53,45.86 ; 78.63,45.96 76.08,49.69 arc(75.96,49.98) 75.95,50.28 76.91,55.71
  Bottom w0.25: v1(106.56,57.99) 114.37,57.99 arc(114.57,58.03) 114.73,58.14 U1.19 ; 70.36,55.71 71.29,50.33 arc(71.29,50.03) 71.17,49.75 68.63,45.96
switch10: length 73
  Top w0.25: 96.62,45.96 94.11,49.6 arc(93.99,49.88) 93.98,50.18 94.9,55.71 ; U1.18 105.72,56.09 arc(105.91,56.05) 106.08,55.94 v1(106.56,55.45) 108.59,53.43 arc(108.76,53.17) 108.83,52.86 108.83,42.04 arc(108.76,41.74) 108.59,41.48 107.34,40.22 arc(107.08,40.05) 106.77,39.99 102.16,39.99 arc(101.85,40.05) 101.59,40.22 99.89,41.92 arc(99.63,42.1) 99.32,42.16 97.78,42.16 arc(97.47,42.22) 97.21,42.39 96.96,42.65 arc(96.78,42.91) 96.72,43.21 96.72,45.86 86.52,45.86
  Bottom w0.25: 88.35,55.71 89.24,50.33 arc(89.23,50.04) 89.12,49.76 86.62,45.96 ; U1.18 114.73,55.6 arc(114.57,55.49) 114.37,55.45 v1(106.56,55.45)
switch11: length 154
  Top w0.25: 20.97,28.2 21.33,22.59 arc(21.4,22.3) 21.58,22.06 24.77,19.06 ; 14.93,16.77 24.89,18.98 38.38,21.46 38.46,21.47 38.61,21.53 38.74,21.62 38.8,21.68 42.79,25.67 42.85,25.72 42.98,25.81 43.12,25.87 43.28,25.9 43.35,25.9 62.69,25.9 62.77,25.9 62.93,25.87 63.07,25.81 63.2,25.72 63.26,25.67 64.51,24.42 64.57,24.36 64.7,24.28 64.84,24.22 65,24.18 65.07,24.18 99.03,24.18 99.11,24.18 99.26,24.22 99.4,24.28 99.54,24.36 99.59,24.42 101.54,26.36 101.59,26.42 101.68,26.55 101.74,26.69 101.77,26.85 101.77,26.93 101.77,34.83 101.77,34.91 101.8,35.06 101.86,35.21 101.95,35.34 102.01,35.4 102.77,36.16 102.83,36.21 102.96,36.3 103.1,36.36 103.26,36.39 103.34,36.39 110.26,36.39 arc(110.49,36.44) 110.69,36.57 113.36,39.25 arc(113.49,39.44) 113.54,39.67 113.54,48.18 arc(113.59,48.41) 113.72,48.6 v1(114.22,49.1) 114.7,48.61 arc(114.87,48.51) 115.06,48.47 U1.10
  Bottom w0.25: U1.10 106.05,48.96 arc(106.21,49.07) 106.41,49.1 v1(114.22,49.1) ; 15,16.89 16.76,20.91 arc(16.83,21.22) 16.77,21.54 14.58,26.79
switch12: length 139.6
  Top w0.25: 31.86,28.79 42.02,29.68 42.32,27.11 42.33,27.02 42.39,26.85 42.48,26.7 42.55,26.64 42.65,26.53 42.7,26.48 42.83,26.39 42.98,26.33 43.13,26.3 43.21,26.3 62.86,26.3 62.94,26.3 63.09,26.27 63.24,26.21 63.37,26.12 63.42,26.07 64.67,24.82 64.73,24.76 64.86,24.68 65.01,24.62 65.16,24.59 65.24,24.58 98.86,24.58 98.94,24.59 99.1,24.62 99.24,24.68 99.37,24.76 99.43,24.82 101.14,26.53 101.19,26.58 101.28,26.71 101.34,26.86 101.37,27.01 101.37,27.09 101.37,35 101.37,35.07 101.4,35.23 101.46,35.37 101.55,35.5 101.61,35.56 102.6,36.56 102.66,36.61 102.79,36.7 102.94,36.76 103.09,36.79 103.17,36.79 110.1,36.79 arc(110.33,36.84) 110.52,36.97 112.96,39.41 arc(113.09,39.61) 113.14,39.84 113.14,50.32 arc(113.19,50.55) 113.32,50.74 v1(114.22,51.64) 114.7,51.15 arc(114.87,51.05) 115.06,51.01 U1.9 ; 39.34,39.33 38.93,33.68 arc(38.97,33.37) 39.12,33.1 41.91,29.77
  Bottom w0.25: 31.95,28.9 34.09,32.74 arc(34.18,33.02) 34.16,33.32 32.82,38.76 ; U1.9 106.05,51.5 arc(106.21,51.61) 106.41,51.64 v1(114.22,51.64)
switch13: length 124.4
  Top w0.25: 58.92,42.07 57.91,36.44 arc(57.92,36.12) 58.05,35.83 60.64,32.32 ; U1.8 115.06,53.55 arc(114.87,53.59) 114.7,53.69 v1(114.22,54.18) 112.92,52.88 arc(112.79,52.69) 112.74,52.46 112.74,40 arc(112.69,39.77) 112.56,39.58 110.36,37.37 arc(110.16,37.24) 109.93,37.19 103,37.19 102.93,37.19 102.77,37.16 102.63,37.1 102.5,37.01 102.44,36.96 101.21,35.73 101.15,35.67 101.06,35.54 101,35.39 100.97,35.24 100.97,35.16 100.97,27.26 100.97,27.18 100.94,27.03 100.88,26.88 100.79,26.75 100.74,26.69 99.26,25.22 99.21,25.16 99.08,25.08 98.93,25.02 98.78,24.99 98.7,24.98 65.4,24.98 65.33,24.99 65.17,25.02 65.03,25.08 64.89,25.16 64.84,25.22 60.98,29.08 60.92,29.14 60.83,29.27 60.77,29.41 60.74,29.57 60.74,29.65 60.74,32.22 50.54,32.22
  Bottom w0.25: 50.64,32.32 53.23,35.85 arc(53.36,36.14) 53.37,36.46 52.37,42.07 ; U1.8 106.05,54.04 arc(106.21,54.15) 106.41,54.18 v1(114.22,54.18)
switch14: length 106.6
  Top w0.25: 76.91,38.71 76.03,33.15 arc(76.04,32.85) 76.16,32.57 78.63,28.96 ; 68.53,28.86 78.73,28.86 78.73,26.43 78.73,26.35 78.76,26.2 78.82,26.05 78.91,25.92 78.97,25.87 79.21,25.62 79.27,25.56 79.4,25.48 79.55,25.42 79.7,25.38 79.78,25.38 98.53,25.38 98.61,25.38 98.76,25.42 98.91,25.48 99.04,25.56 99.1,25.62 100.34,26.86 100.39,26.92 100.48,27.05 100.54,27.19 100.57,27.35 100.57,27.42 100.57,35.33 100.57,35.4 100.6,35.56 100.67,35.7 100.75,35.84 100.81,35.89 102.27,37.36 102.33,37.41 102.46,37.5 102.61,37.56 102.76,37.59 102.84,37.59 109.77,37.59 arc(110,37.64) 110.19,37.77 112.17,39.74 arc(112.3,39.94) 112.34,40.17 112.34,54.6 arc(112.39,54.83) 112.52,55.02 v1(114.22,56.72) 114.7,56.23 arc(114.87,56.13) 115.06,56.09 U1.7
  Bottom w0.25: U1.7 106.05,56.58 arc(106.21,56.69) 106.41,56.72 v1(114.22,56.72) ; 70.36,38.71 71.31,33.15 arc(71.3,32.84) 71.18,32.55 68.63,28.96
switch15: length 90.3
  Top w0.25: 94.91,38.71 94,33.04 arc(94.01,32.73) 94.14,32.45 96.64,28.96 ; 86.54,28.86 96.74,28.86 96.74,26.75 96.74,26.67 96.77,26.51 96.83,26.37 96.92,26.24 96.97,26.18 97.14,26.02 97.2,25.96 97.33,25.88 97.47,25.82 97.63,25.78 97.7,25.78 98.37,25.78 98.45,25.78 98.6,25.82 98.74,25.88 98.88,25.96 98.93,26.02 99.94,27.02 99.99,27.08 100.08,27.21 100.14,27.36 100.17,27.51 100.17,27.59 100.17,35.49 100.17,35.57 100.21,35.72 100.27,35.87 100.35,36 100.41,36.06 102.11,37.76 102.16,37.81 102.3,37.9 102.44,37.96 102.59,37.99 102.67,37.99 109.6,37.99 arc(109.83,38.04) 110.03,38.17 111.77,39.91 arc(111.9,40.1) 111.94,40.33 111.94,56.74 arc(111.99,56.97) 112.12,57.16 v1(114.22,59.26) 114.7,58.77 arc(114.87,58.67) 115.06,58.63 U1.6
  Bottom w0.25: 86.64,28.96 89.14,32.55 arc(89.27,32.83) 89.28,33.13 88.36,38.71 ; v1(114.22,59.26) 106.41,59.26 arc(106.21,59.23) 106.05,59.12 U1.6
switch16: length 94.4
  Top w0.25: 92.32,11.46 89.76,14.88 arc(89.63,15.17) 89.62,15.49 90.6,21.21 ; 115.22,45.93 115.06,45.93 arc(114.87,45.97) 114.7,46.07 v1(114.22,46.56) 114.11,46.46 arc(113.98,46.27) 113.94,46.04 113.94,39.5 arc(113.89,39.27) 113.76,39.08 110.85,36.17 arc(110.66,36.04) 110.43,35.99 103.5,35.99 103.42,35.99 103.27,35.96 103.12,35.9 102.99,35.81 102.94,35.76 102.4,35.23 102.35,35.17 102.26,35.04 102.2,34.9 102.17,34.74 102.17,34.66 102.17,13.51 100.02,11.36 92.42,11.36 ; 92.4,11.46 82.4,11.46
  Bottom w0.25: 84.05,21.21 84.98,15.67 arc(84.98,15.36) 84.85,15.07 82.32,11.46 ; v1(114.22,46.56) 106.41,46.56 arc(106.21,46.53) 106.05,46.42 U1.11
switch17: length 89.3
  Top w0.25: U1.12 115.51,43.69 115.51,44.03 arc(115.47,44.26) 115.34,44.45 ; 106.52,14.99 106.52,25.19 ; 116.37,16.81 110.75,17.8 110.67,17.82 110.51,17.81 110.36,17.78 110.21,17.71 110.14,17.66 106.62,15.09 106.62,13.62 106.62,13.54 106.59,13.39 106.53,13.24 106.44,13.11 103.11,13.11 102.57,13.65 102.57,34.39 arc(102.62,34.62) 102.75,34.81 103.35,35.42 arc(103.55,35.55) 103.78,35.6 110.6,35.6 arc(110.82,35.64) 111.02,35.77 114.16,38.91 arc(114.29,39.11) 114.34,39.34 114.34,44.1 114.34,44.18 114.38,44.33 114.46,44.47 114.51,44.52 v1(114.62,44.63) 114.91,44.63 arc(115.14,44.59) 115.33,44.46
  Bottom w0.25: 106.62,25.09 110.34,22.55 arc(110.62,22.43) 110.93,22.43 116.37,23.36 ; v1(114.62,44.63) 113.96,43.97 106.35,43.97 arc(106.16,43.93) 106,43.82 U1.12
Net-(BT1-Pad2): length 43.7
  Top w0.25: PSW1.1 112.65,70.98 arc(112.61,70.79) 112.5,70.63 v1(111.67,69.8) 110.2,68.33 arc(110.07,68.13) 110.02,67.9 110.02,41.46 arc(109.98,41.23) 109.85,41.04 109.57,40.76 v1(109.57,40.38)
  Bottom w0.25: BT1.2 114.07,38.51 arc(111.64,39) v1(109.57,40.38) ; PSW1.1 109.68,69.94 arc(109.84,69.84) 110.03,69.8 v1(111.67,69.8)
  vias: v1(116.25,38.54)
unconnected-(PSW1-Pad3): length 9
  Top w0.25: PSW1.3 108.15,73.34 arc(108.19,73.54) 108.3,73.7 108.47,73.87 arc(108.63,73.98) 108.83,74.02 v1(110.4,74.02)
  Bottom w0.25: PSW1.3 112.65,73.36 arc(112.61,73.55) 112.5,73.71 112.34,73.87 arc(112.18,73.98) 111.98,74.02 v1(110.4,74.02)
unconnected-(U1-Pad2): length 11.4
  Top w0.25: U1.2 115.22,68.59 arc(115.18,68.4) 115.07,68.24 v1(113.72,66.88)
  Bottom w0.25: U1.2 107.23,67.12 arc(107.4,67.01) 107.59,66.97 113.63,66.97 v1(113.72,66.88)

## Text on the board
B.Silkscreen: アルテミス
F.Silkscreen: アルテミス
